# Altium PCB pcb.PcbDoc
Units mil, origin at the board's own origin, x right, y up, seen from the top; angles counter-clockwise.
Board outline 2214.75 x 2569.32 mil, 2 copper layers (Top Layer, Bottom Layer); 26 components, 25 nets, 136 pads, 665 vias.
Unrouted connection lines stored in the file: 1.
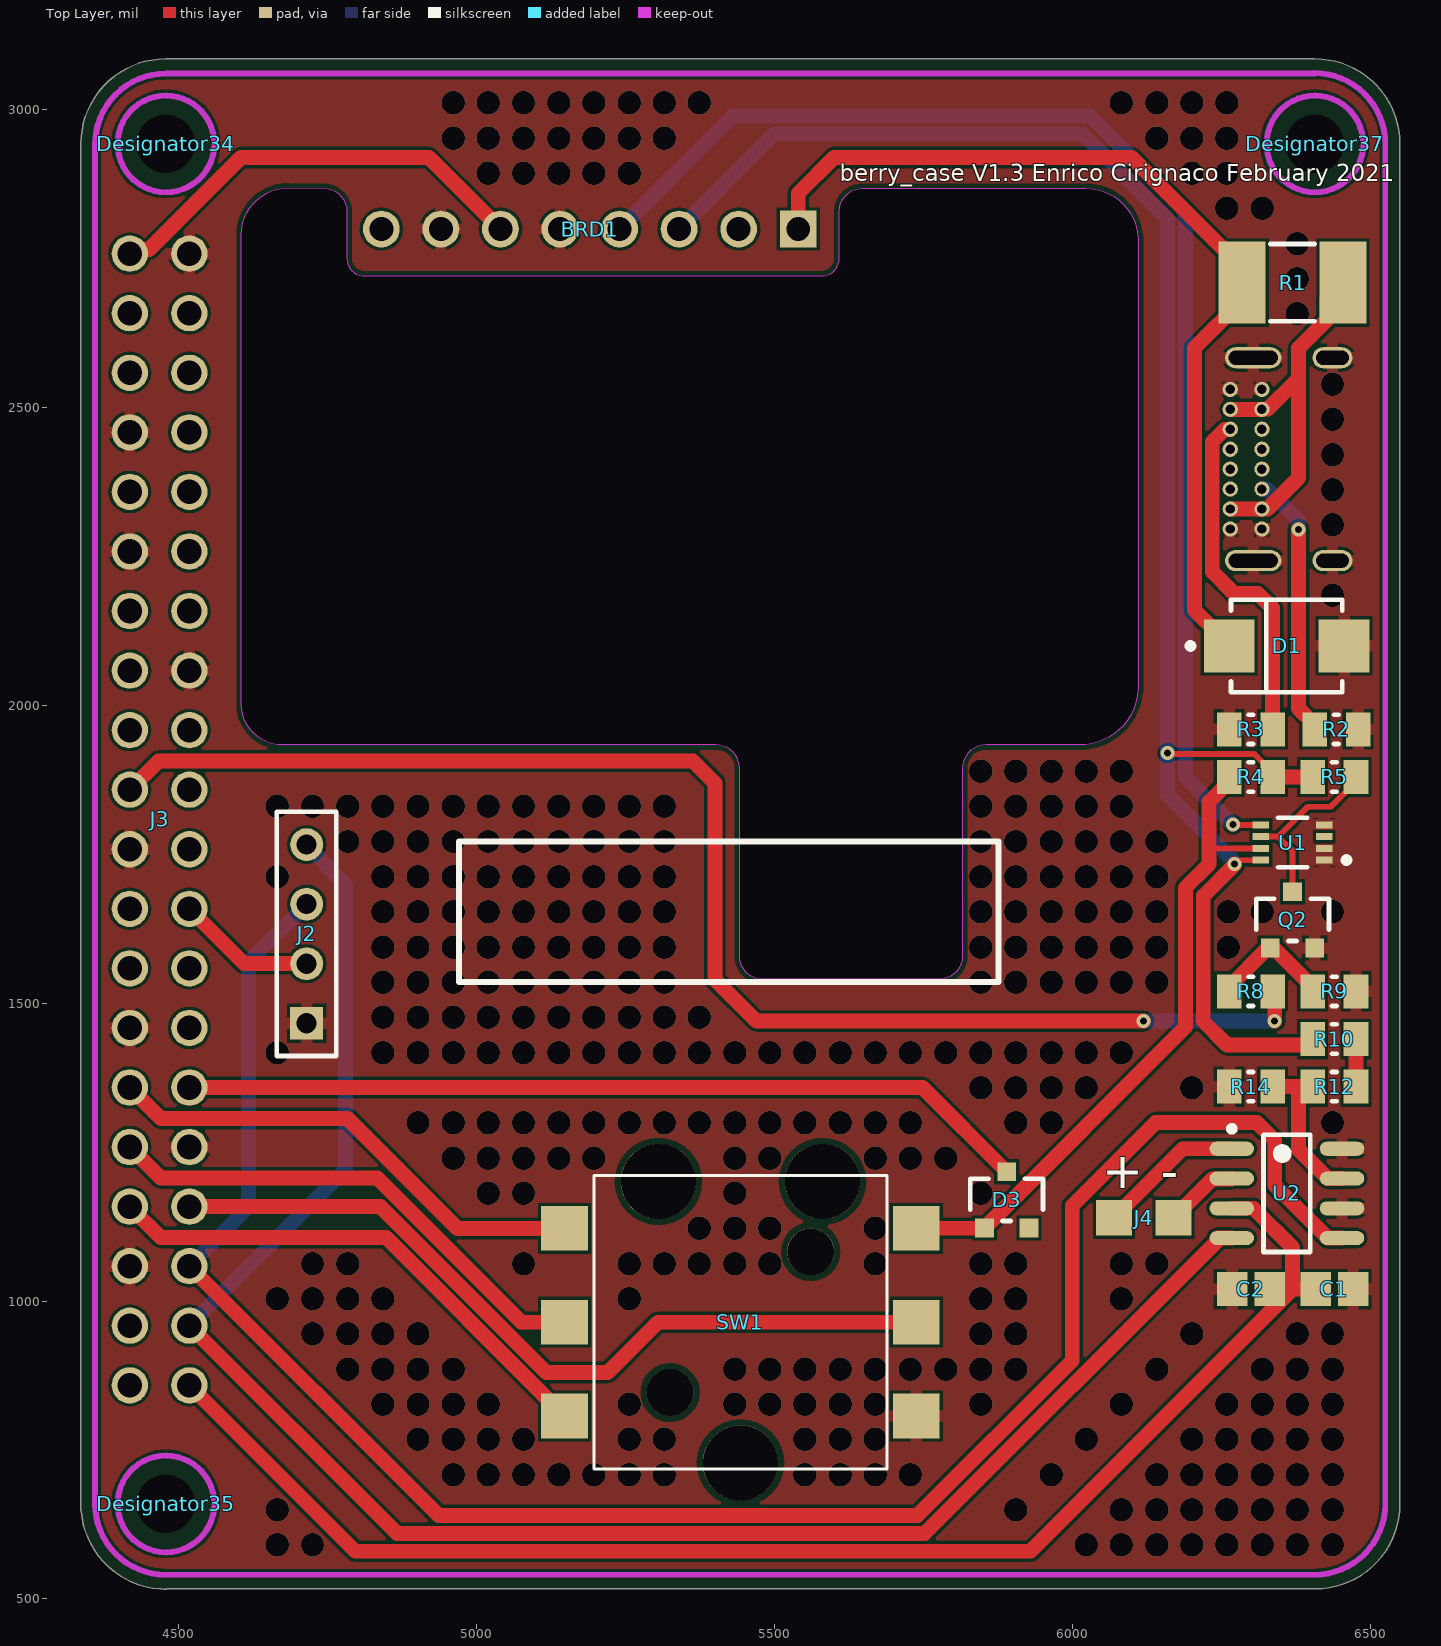
[diagram p0: Top Layer view]
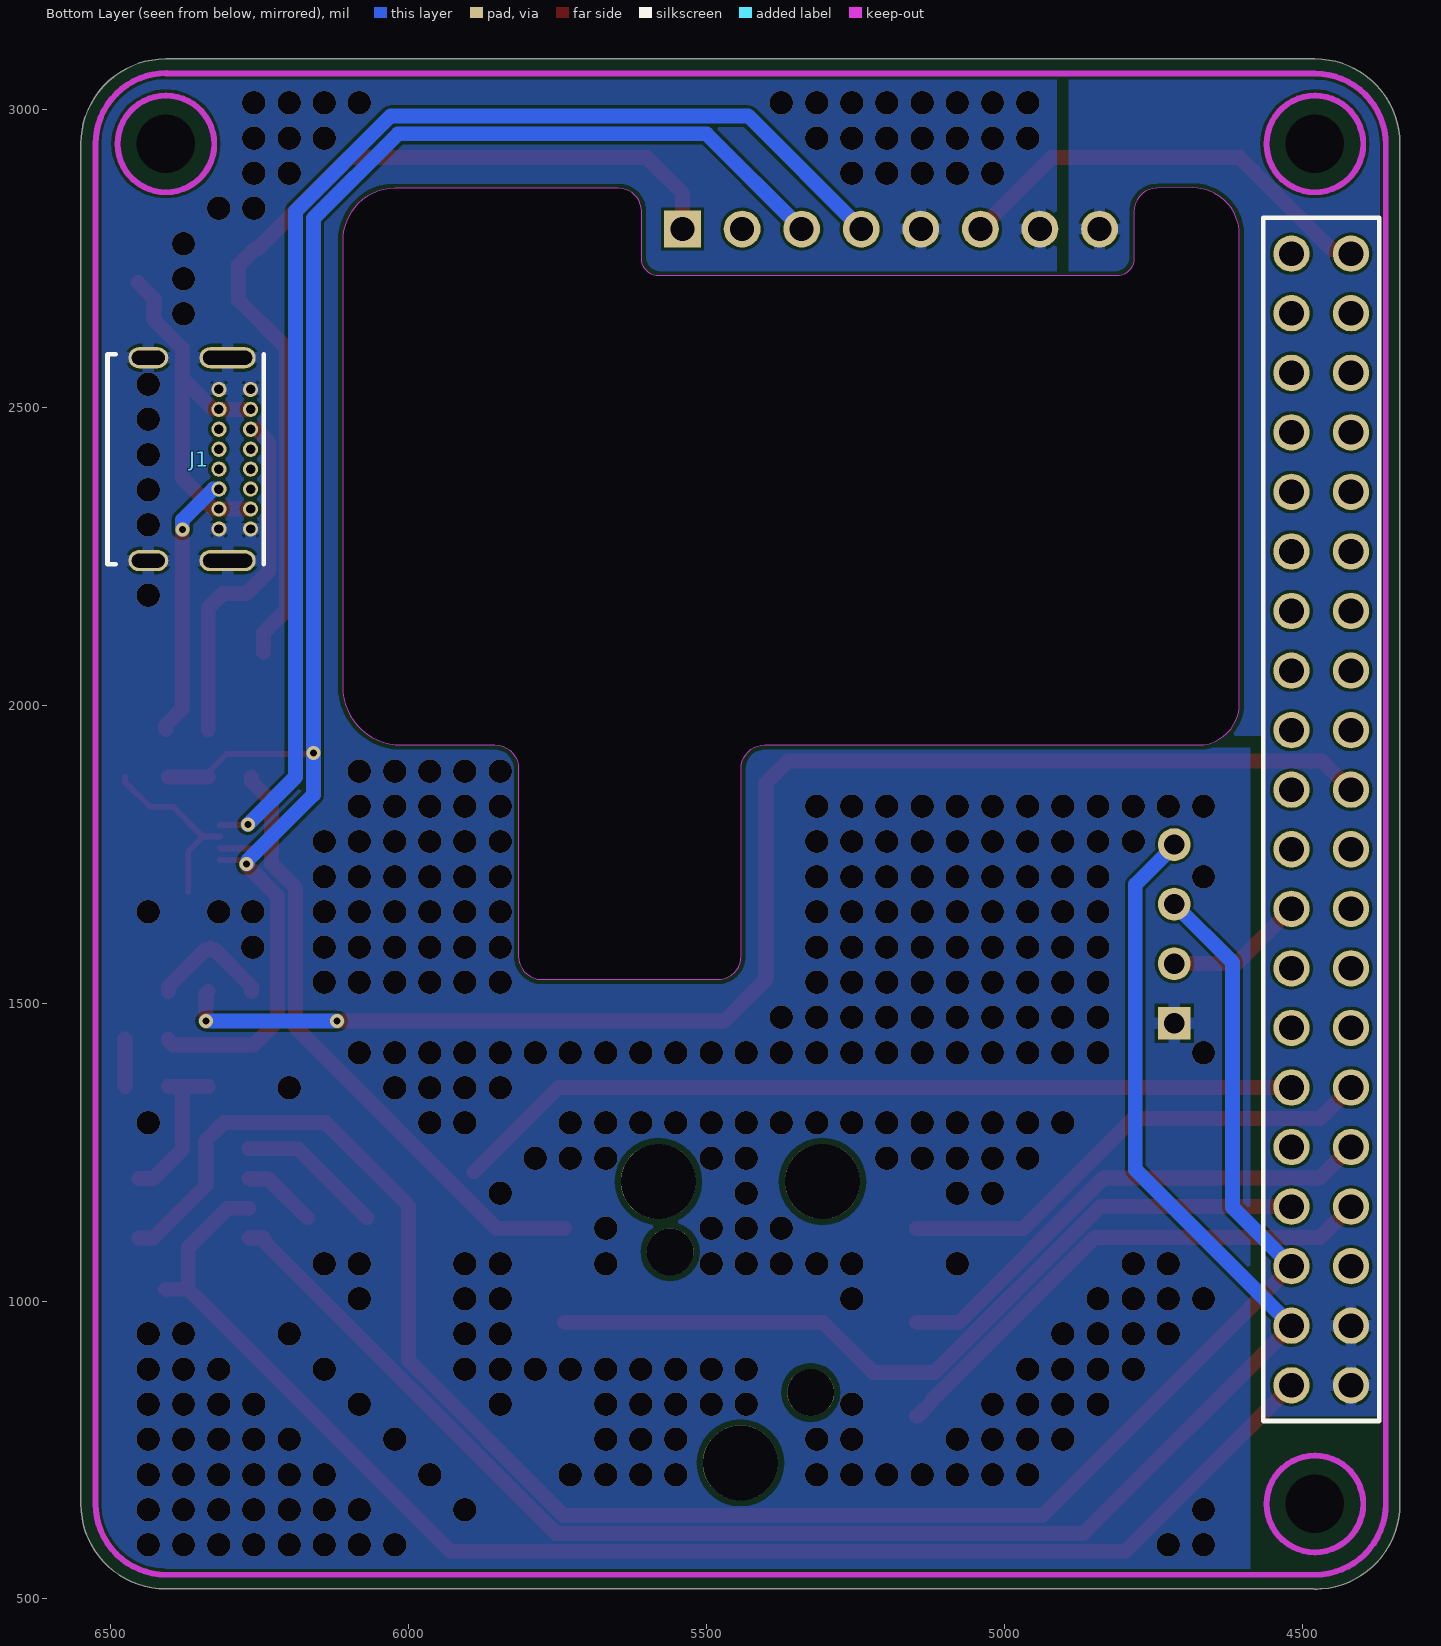
[diagram p1: Bottom Layer view, seen from below]

## Layer stack, top to bottom
Top Solder: solder mask 0.4, Solder Resist, Dk 3.5
Top Layer: signal copper 1.4
Dielectric 1: dielectric 12.6, FR-4, Dk 4.8
Bottom Layer: signal copper 1.4
Bottom Solder: solder mask 0.4, Solder Resist, Dk 3.5

## Board outline
4336.02,647.45 ccw(c4478.35,659.21) 4467.06,516.85 ccw(c4468.5,521.65) 4468.5,516.64 4470.16,516.64 ccw(c4478.35,659.21) 4478.35,516.4 ccw(c4478.35,521.42) 4479.86,516.64 6417.32,516.64 ccw(c6417.32,521.65) 6419.52,517.15 ccw(c6407.48,659.45) 6550.29,659.45 ccw(c6545.28,659.45) 6550.29,659.53 6550.29,2942.83 ccw(c6545.28,2942.91) 6550.29,2942.91 ccw(c6407.48,2942.91) 6407.48,3085.72 4478.39,3085.72 ccw(c4478.35,3080.71) 4478.35,3085.72 ccw(c4478.35,2942.91) 4335.54,2942.91 ccw(c4340.55,2942.91) 4335.54,2942.88 4335.54,649.61 ccw(c4340.55,649.61)

## Design rules (kind name [scope] priority, off if disabled: settings)
BoardOutlineClearance [All] p1: gap=7.87 ignorepadtopadclearanceinfootprint=FALSE
Clearance [All] p1: gap=5 ignorepadtopadclearanceinfootprint=FALSE except(9.84: Arc-Hole Track-Hole SMDPad-Hole THPad-Hole Via-Hole Fill-Hole Poly-Hole Region-Hole Text-Hole)
ComponentClearance [All] p1: gap=5 collisioncheckmode=3 verticalgap=5 showdistances=TRUE
DiffPairsRouting [All] p1: maxlimit=10 minlimit=5 mostfreqgap=5 toplayer_minwidth=5 toplayer_maxwidth=1000 toplayer_prefwidth=5 bottomlayer_minwidth=5 bottomlayer_maxwidth=1000 bottomlayer_prefwidth=5 maxuncoupledlength=500
Height [All] p1: minheight=0 maxheight=71497.94 prefheight=500
HoleSize [All] p1: absolutevalues=TRUE maxlimit=248.03 minlimit=11.81 maxpercent=80.000 minpercent=20.000
HoleToHoleClearance [All] p1: gap=9.84 allowstackedmicrovias=FALSE
MinimumAnnularRing [All] p1: minimumring=3
MinimumSolderMaskSliver [All] p1: minsoldermaskwidth=0
PlaneClearance [All] p1: clearance=5
PlaneConnect PlaneConnectPowerPads [InPadClass('PowerPads')] p1: planeconnectstyle=Direct reliefexpansion=20 reliefentries=4 reliefconductorwidth=10 reliefairgap=10
PlaneConnect [All] p2: pad.planeconnectstyle=Relief pad.reliefexpansion=11.81 pad.reliefentries=4 pad.reliefconductorwidth=5 pad.reliefairgap=5 via.planeconnectstyle=Direct via.reliefexpansion=11.81 via.reliefentries=4 via.reliefconductorwidth=5 via.reliefairgap=5
PolygonConnect PolygonConnectPowerPads [All vs (InPadClass('PowerPads'))] p1: connectstyle=Direct reliefconductorwidth=10 reliefentries=4 polygonreliefangle="90 Angle" airgapwidth=10
PolygonConnect [All] p2: thpad.connectstyle=Relief thpad.reliefconductorwidth=20 thpad.reliefentries=4 thpad.polygonreliefangle="90 Angle" thpad.airgapwidth=5 smdpad.connectstyle=Relief smdpad.reliefconductorwidth=20 smdpad.reliefentries=4 smdpad.polygonreliefangle="90 Angle" smdpad.airgapwidth=5 via.connectstyle=Direct via.reliefconductorwidth=5 via.reliefentries=4 via.polygonreliefangle="90 Angle" via.airgapwidth=5
RoutingVias [All] p1: holewidth=11.81 width=23.62 viastyle="Through Hole" minholewidth=11.81 minwidth=23.62 maxholewidth=23.62 maxwidth=259.84
SilkToSilkClearance [All] p1: silktosilkclearance=0
SilkToSolderMaskClearance [IsPad] p1: minsilkscreentomaskgap=5 clearancetoexposedcopper=TRUE
SolderMaskExpansion [All] p1: expansion=2.95 istentingtop=FALSE
Width [All] p1: maxlimit=25 minlimit=5 preferedwidth=10
20 further rules are at their usual default settings.

## Classes and differential pairs
component class U_main: C1 C2 D3 J2 J3 J4 R10 R12 R14 SW1 U2
component class U_power_supply: BRD1 D1 J1 Q2 R1 R2 R3 R4 R5 R8 R9 U1

## Components (designator, comment, footprint, x,y, rotation, side; value= is the part's Value field where it differs from the comment)
BRD1 "Powerboost 1000c" POWERBOOST_1000C 5540,2800 r180 top
C1 "Cap_0805" CAPC2013X88X50NL20T25 6440,1020 r180 top value=100nF
C2 "Cap_0805" CAPC2013X88X50NL20T25 6300,1020 r0 top value=10uF
D1 "SMBJ5.0A" FP-SMBJ-MFG 6360,2100 r0 top
D3 "BAT54C,215" SOT23 5890,1170 r90 top
Designator34 "Comment" MOUNTING_HOLE 4478.35,2942.91 r180 top locked
Designator35 "Comment" MOUNTING_HOLE 4478.35,659.45 r180 top locked
Designator37 "Comment" MOUNTING_HOLE 6407.48,2942.91 r180 top locked
J1 "USB4085-GF-A_revA" GCT_USB4085-GF-A_REVA 6423.82,2413.59 r270 bottom
J2 "Display" OLED_DISPLAY 5423.23,1574.8 r0 top locked
J3 "Raspberry Pi 4" RASPBERRY_PI_4 4517.72,2758.66 r180 top locked
J4 "ADC_header" ADC_HEADER 6070,1140 r0 top
Q2 "AO3400A" SOT23 6370,1640 r90 top
R1 "MF-MSMF250/16X-2" Res_1812 6370,2710 r180 top
R2 "Res_0805" RESC2013X50X30NL20T20 6443.58,1960 r180 top value=5k1
R3 "Res_0805" RESC2013X50X30NL20T20 6300,1960 r0 top value=5k1
R4 "Res_0805" RESC2013X50X30NL20T20 6300,1880 r0 top value=1M
R5 "Res_0805" RESC2013X50X30NL20T20 6440,1880 r180 top value=1M
R8 "Res_0805" RESC2013X50X30NL20T20 6300,1520 r180 top value=1k
R9 "Res_0805" RESC2013X50X30NL20T20 6440,1520 r180 top value=100k
R10 "Res_0805" RESC2013X50X30NL20T20 6440,1440 r180 top value=10k
R12 "Res_0805" RESC2013X50X30NL20T20 6440,1360 r0 top value=10k
R14 "Res_0805" RESC2013X50X30NL20T20 6300,1360 r0 top value=10k
SW1 "JS5208" JS5208_PKG 5442.91,964.57 r180 top locked
U1 "NC7SZ74K8X" FP-846AN-MFG 6370,1770 r180 top
U2 "MCP3426A0-E/SN" SOIC-SN8_L 6360.49,1180.83 r0 top

## Footprints (in the part's own frame and the unit in brackets; to place one, negate y for a bottom-side part, rotate by r counter-clockwise, add the part's x,y. Pads: shape width x height; smd on the part's side, far side on the other; paste and mask are expansions set on the pad)
ADC_HEADER [mil]
  rect 60x60 smd: 1(0,0) 2(100,0)
CAPC2013X88X50NL20T25 [mm] "Chip Capacitor, 2-Leads, Body 2.00x1.25mm, IPC Medium Density"
  rect 1.3x1.45 smd: 1(-0.8,0) 2(0.8,0)
  body extent -1.1,-0.72 1.1,0.72, height 0.88
FP-846AN-MFG [mm]
  rect 0.7x0.3 smd paste+0 mask+0: 1(-1.35,0.75) 2(-1.35,0.25) 3(-1.35,-0.25) 4(-1.35,-0.75) 5(1.35,-0.75) 6(1.35,-0.25) 7(1.35,0.25) 8(1.35,0.75)
  silkscreen extent -2.43,-1.05 0.63,1.05, body extent -1.8,-1.15 1.8,1.15, height 0.25
FP-SMBJ-MFG [mm]
  rect 2.16x2.26 smd paste+0 mask+0: 1(-2.45,0) 2(2.45,0)
  silkscreen extent -4.22,-1.97 2.37,1.97, body extent -3.63,-2.07 3.63,2.07, height 0.25
GCT_USB4085-GF-A_REVA [mm] "USB 2.0 Type C Receptacle Dip Type, PCB Top Mount"
  round 0.65 hole 0.4: A1(-2.975,4.025) A4(-2.125,4.025) A5(-1.275,4.025) A6(-0.425,4.025) A7(0.425,4.025) A8(1.275,4.025) A9(2.125,4.025) A12(2.975,4.025) B1(2.975,2.675) B4(2.125,2.675) B5(1.275,2.675) B6(0.425,2.675) B7(-0.425,2.675) B8(-1.275,2.675) B9(-2.125,2.675) B12(-2.975,2.675)
  oval 0.9x1.7 hole 0.6 slot 1.4 at 90 deg: P1(-4.325,-0.335) P1(4.325,-0.335)
  oval 0.9x2.4 hole 0.6 slot 2.1 at 90 deg: P1(-4.325,3.045) P1(4.325,3.045)
  silkscreen extent -4.47,-2.07 4.47,4.58, body extent -4.51,-4.56 4.52,4.61, height 3.46
JS5208_PKG [mm]
  rect 2x1.9 smd: A-U(7.5,4) B-L(-7.5,0) C-D(7.5,-4) COM(-7.5,4) D-R(7.5,0) E-BTN(-7.5,-4)
  round 3.2 hole 3.2 unplated: ""(-3.5,-6) ""(0,6) ""(3.5,-6)
  round 2 hole 2 unplated: ""(-3,-3) ""(3,3)
  silkscreen extent -6.25,-6.25 6.25,6.25, body extent -8.2,-6.35 8.2,6.35, height 12.2
MOUNTING_HOLE [mm]
  round 0 hole 2.5: 15(0,0)
  Top Layer keep-out circle w0.254: c0,0 r2.062
  Bottom Layer keep-out circle w0.254: c0,0 r2.062
  body extent -1.9,-1.9 1.9,1.9, height 2
OLED_DISPLAY [mm]
  rect 1.4x1.4 hole 0.86: 1(-18,-2.75)
  round 1.4 hole 0.86: 2(-18,-0.21) 3(-18,2.33) 4(-18,4.87)
  silkscreen extent -19.27,-4.15 11.5,6.27, body extent -19.45,-4.97 20.55,7.03, height 7.16
POWERBOOST_1000C [mm]
  rect 1.57x1.57 hole 1.02 paste-1000 mask+0: 1(0,0)
  round 1.57 hole 1.02 paste-1000 mask+0: 2(2.54,0) 3(5.08,0) 4(7.62,0) 5(10.16,0) 6(12.7,0) 7(15.24,0) 8(17.78,0)
  Keep-Out Layer board cut-out: -14.5,0.5 -14.5,19.5 -14.31,20.457 -13.768,21.268 -12.957,21.81 -12,22 -12,22 -8,22 -7.5,22.134 -7.134,22.5 -7,23 -7,23 -7,31 -6.866,31.5 -6.5,31.866 -6,32 -6,32 1.5,32 1.883,31.924 2.207,31.707 2.424,31.383 2.5,31 2.5,31 2.5,23 2.576,22.617 2.793,22.293 3.117,22.076 3.5,22 3.5,22 22,22 22.67,21.867 23.238,21.487 23.617,20.92 23.75,20.25 23.75,20.25 23.75,0.242 23.596,-0.526 23.159,-1.175 22.504,-1.606 21.735,-1.752 21.735,-1.752 20.229,-1.737 19.739,-1.601 19.381,-1.239 19.25,-0.747 19.25,-0.747 19.25,1.25 19.193,1.537 19.03,1.78 18.787,1.943 18.5,2 18.5,2 -1,2 -1.287,1.943 -1.53,1.78 -1.693,1.537 -1.75,1.25 -1.75,1.25 -1.75,-0.75 -1.825,-1.126 -2.038,-1.445 -2.357,-1.659 -2.733,-1.733 -2.733,-1.733 -12.267,-1.733 -13.383,-1.434 -14.201,-0.617 -14.5,0.5
  body extent -13.42,-1.27 23.2,21.61, height 8.71
RASPBERRY_PI_4 [mm] "Board-to-Board Connector, PC104 CD ISA, Stackthrough, Vertical, 2-Row, 40-Postion, Pitch 2.54mm, Receptacle"
  round 1.55 hole 1.05: 1(0,48.26) 2(2.54,48.26) 3(0,45.72) 4(2.54,45.72) 5(0,43.18) 6(2.54,43.18) 7(0,40.64) 8(2.54,40.64) 9(0,38.1) 10(2.54,38.1) 11(0,35.56) 12(2.54,35.56) 13(0,33.02) 14(2.54,33.02) 15(0,30.48) 16(2.54,30.48) 17(0,27.94) 18(2.54,27.94) 19(0,25.4) 20(2.54,25.4) 21(0,22.86) 22(2.54,22.86) 23(0,20.32) 24(2.54,20.32) 25(0,17.78) 26(2.54,17.78) 27(0,15.24) 28(2.54,15.24) 29(0,12.7) 30(2.54,12.7) 31(0,10.16) 32(2.54,10.16) 33(0,7.62) 34(2.54,7.62) 35(0,5.08) 36(2.54,5.08) 37(0,2.54) 38(2.54,2.54) 39(0,0) 40(2.54,0)
  body extent -53.64,-32.27 4.76,56.72, height 8.4
Res_1812 [mm] "Chip Capacitor, Body 4.5x3.2mm, Height 1.25mm, IPC Low Density"
  rect 2x3.5 smd: 1(-2.15,0) 2(2.15,0)
  silkscreen extent -0.95,-1.65 0.95,1.65, body extent -2.4,-1.7 2.4,1.7, height 1.25
RESC2013X50X30NL20T20 [mm] "Chip Resistor, 2-Leads, Body 2.00x1.25mm, IPC Medium Density"
  rect 1.05x1.45 smd: 1(-0.925,0) 2(0.925,0)
  silkscreen extent -0.1,-0.63 0.1,0.63, body extent -1.1,-0.72 1.1,0.72, height 0.5
SOIC-SN8_L [mm] "SOIC, 8-Leads, Body 4.9x3.9mm, Pitch 1.27mm, IPC High Density"
  oval 1.9x0.6 smd: 1(-2.35,1.905) 2(-2.35,0.635) 3(-2.35,-0.635) 4(-2.35,-1.905) 5(2.35,-1.905) 6(2.35,-0.635) 7(2.35,0.635) 8(2.35,1.905)
  silkscreen extent -2.47,-2.5 1,2.88, body extent -2,-2.5 2,2.5, height 1.75
SOT23 [mm]
  rect 0.8x0.8 smd paste+0 mask+0: 1(-1.2,0.95) 2(-1.2,-0.95) 3(1.2,0)
  silkscreen extent -0.9,-1.55 0.9,1.55, body extent -1.7,-1.78 1.7,1.78, height 0.25

## Part data
BRD1: library part Powerboost_1000c, "BOARD PWRBOOST1000 5V LIPO USB", Manufacturer="Adafruit Industries", Manufacturer Part Number=2465, Output Current=1A, Output Voltage=5.2V, Package Quantity=1, Supplier Part Number 1=1528-1349-ND, Switching Frequency=700kHz, Category="Embedded Processors and Controllers", ComponentLink1Description=https://media.digikey.com/pdf/Data%20Sheets/Adafruit%20PDFs/2465_Web.pdf?src-supplier=Digi-Key, ComponentLink1URL=https://media.digikey.com/pdf/Data%20Sheets/Adafruit%20PDFs/2465_Web.pdf?src-supplier=Digi-Key, Evaluation Kit=Yes, Pricing 1="1=19.95000 (USD)", RoHS=No, Stock 1=834, Supplier 1=Digi-Key
C1 C2: "Ceramic Capacitor X7R", Voltage Rating=50V
D1: library part CMP-08607-000042-1, "TVS DIODE 5V 9.2V DO214AA", Breakdown Voltage=6.4V, Clamping Voltage=9.2V, Manufacturer="Littelfuse Inc", Max Junction Temp=+150°C, Package=SMBJ, Peak Pulse Current=65.3A, Peak Pulse Power=600W, Reverse Standoff Voltage=5V, Temperature="-65°C to +150°C", Temperature Range Low=-65°C, Automotive=No, Category=Diode, ComponentLink2Description=Datasheet, ComponentLink2URL=https://www.littelfuse.com/~/media/electronics/datasheets/tvs_diodes/littelfuse_tvs_diode_smbj_datasheet.pdf.pdf, Device Class L1="Circuit Protection", Device Class L2="TVS Diodes", Device Class L3=unset, Digikey Description="TVS DIODE 5V 9.2V DO214AA", Direction=Unidirectional, Height=2.61mm, Lead Free=Yes, Manufacturer Part Number=SMBJ5.0A, Mouser Description="TVSS; Diode; For Data/Comm; Industrial Equip; 65.3A; SMD; Solder Term; Clamp-V 9.2V", Number Of Channels=1, Octopart=https://octopart.com/smbj5.0a-littelfuse-8835, RoHS=TRUE, Temperature Range High=+150°C
D3: library part DIODE_BAT54C, "Schottky Barrier Diode, 30 V, 3-Pin SOT23, RoHS, Tape and Reel", Current Ifsm=600mA, Diode Case Style=SOT-23, Forward Current If(AV)=200mA, Forward Voltage=800mV, Junction Temperature Tj Max=125degC, Manufacturer="NXP Semiconductors", Operating Temperature Max=150degC, Operating Temperature Min=-65degC, Operating Temperature Range=-65degCto+150degC, Package Description="3-Pin Small Outline Transistor, Body 1.3 x 2.9 mm, Pitch 0.95 mm", Package Reference=SOT23-3, Package Version=Feb-16, Repetitive Reverse Voltage Vrrm Max=30V, Common Connection=Cathode, Datasheet URL=https://datasheet.ciiva.com/33723/1668625-33723936.pdf, Datasheet Version="Rev. 5 , 10/2012", Diode Type=Schottky, Forward Surge Current Ifsm Max=600mA, Forward Voltage VF Max=800mV, Manufacturer URL=http://www.nxp.com/, No. of Pins=3, Package / Case=SOT-23, Package URL=http://www.nxp.com/documents/outline_drawing/SOT23.pdf, Pin Configuration=1A1,2A2,3comK, Reel Quantity=3000, Reverse Recovery Time trr Max=5ns, Reverse Recovery Time trr Typ=5ns, SMD Marking=L43/*W1, SVHC=NoSVHC(19-Dec-2012), Tape Width=8mm, Termination Type=SMD
J1: library part "USB-C port", "USB 2.0 Type C Receptacle Dip Type, PCB Top Mount", Manufacturer="Global Connector Technology", PARTREV=A, STANDARD="Manufacturer Recommendations"
J2: library part "Oled Display", "Tiger Claw(TM) Socket Strip, Through-hole, Vertical, -55 to 105 degC, 2 mm Pitch, 4-Pin, Female, RoHS", Manufacturer=Samtec, PartNumber=MMS-104-01-T-SV, Temperature Range="-55 to 105 degC", ComponentLink1Description="Manufacturer URL", ComponentLink1URL=http://www.samtec.com, ComponentLink2Description=Datasheet, ComponentLink2URL=http://www.samtec.com/documents/webfiles/pdf/MMS.PDF, ComponentLink3Description="Package Specification", ComponentLink3URL=http://www.samtec.com/documents/webfiles/cpdf/MMS-1XX-01-XXX-XX-XXX-MKT1.pdf, DatasheetVersion=F-214, Mounting Technology=Through-hole, Orientation=Vertical, PackageDescription="2mm Through Hole Box Connector Strip Assembly", PackageReference=MMS-104-01-X-SV, PackageVersion="AO, 2/1993", Pitch="2 mm", RoHS=True
J3: library part RASPBERRY_PI4, "Raspberry Pi 4 with Headers_", Package=None, Availability=Unavailable, MF="Raspberry Pi", MP=ADA3708, Price=None, SnapEDA_Link=https://www.snapeda.com/parts/ADA3708/Raspberry%20Pi/view-part/2770118/?ref=snap
Q2: library part MOSFET_AO3400A, "MOSFET N-CH 30V 5.7A SOT23", Case/Package=SOT-23, Continuous Drain Current (ID)=5.7A, Drain to Source Voltage (Vdss)=30V, Gate to Source Voltage (Vgs)=12V, Input Capacitance=630pF, Max Operating Temperature=150°C, Max Power Dissipation=1.4W, Min Operating Temperature=-55°C, Lead Free="Lead Free", Mount="Surface Mount", Number of Elements=1, Number of Pins=3, Packaging="Tape and Reel", Power Dissipation=1.4W, Radiation Hardening=No, Rds On Max=26.5mR
R1: library part "PTC Fuse", "PTC Resettable Fuse 2.5A(hold) 5A(trip) 16V 100A 1.2W 5s 0.015Ohm SMD Solder Pad 1812 T/R", Case Code (Imperial)=1812, Case Code (Metric)=4532, Current Rating=100A, Hold Current=2.5A, Manufacturer=Bourns, Max Operating Temperature=85°C, Min Operating Temperature=-40°C, Package Quantity=1500, Power Dissipation=1.2W, Resistance=100mR, Supplier Part Number 1=MF-MSMF250/16X-2CT-ND, Trip Current=5A, Voltage Rating=16V, Approvals=UL,CSA,TUV, Case/Package=1812, Category=Fuses, ComponentLink1Description=https://datasheet.ciiva.com/3020/mfmsmf-3020420.pdf?src-supplier=Avnet, ComponentLink1URL=https://datasheet.ciiva.com/3020/mfmsmf-3020420.pdf?src-supplier=Avnet, ComponentLink2Description=https://datasheet.ciiva.com/16206/mfmsmf-16206071.pdf?src-supplier=Onlinecomponents.com, ComponentLink2URL=https://datasheet.ciiva.com/16206/mfmsmf-16206071.pdf?src-supplier=Onlinecomponents.com, ComponentLink3Description=https://datasheet.ciiva.com/7434/mfmsmf-7434296.pdf?src-supplier=Digi-Key, ComponentLink3URL=https://datasheet.ciiva.com/7434/mfmsmf-7434296.pdf?src-supplier=Digi-Key, ComponentLink4Description=https://datasheet.ciiva.com/32430/mf-msmf-series-eng-tds-32430600.pdf?src-supplier=Distrelec, ComponentLink4URL=https://datasheet.ciiva.com/32430/mf-msmf-series-eng-tds-32430600.pdf?src-supplier=Distrelec, ComponentLink5Description=https://datasheet.ciiva.com/7434/mfmsmf-7434298.pdf?src-supplier=Digi-Key, ComponentLink5URL=https://datasheet.ciiva.com/7434/mfmsmf-7434298.pdf?src-supplier=Digi-Key, ComponentLink6Description=https://datasheet.ciiva.com/16692/mfmsmf-16692202.pdf?src-supplier=Avnet+Europe, ComponentLink6URL=https://datasheet.ciiva.com/16692/mfmsmf-16692202.pdf?src-supplier=Avnet+Europe, ComponentLink7Description=https://datasheet.ciiva.com/30088/575mfmsmf-30088346.pdf?src-supplier=Onlinecomponents.com, ComponentLink7URL=https://datasheet.ciiva.com/30088/575mfmsmf-30088346.pdf?src-supplier=Onlinecomponents.com, ComponentLink8Description=https://datasheet.ciiva.com/7434/mfmsmf-7434299.pdf?src-supplier=Digi-Key, ComponentLink8URL=https://datasheet.ciiva.com/7434/mfmsmf-7434299.pdf?src-supplier=Digi-Key, ComponentLink9Description=https://datasheet.ciiva.com/14538/70153434-14538955.pdf?src-supplier=Allied+Electronics, ComponentLink9URL=https://datasheet.ciiva.com/14538/70153434-14538955.pdf?src-supplier=Allied+Electronics, ComponentLink10Description=https://datasheet.ciiva.com/8005/1786007-8005325.pdf?src-supplier=Element14, ComponentLink10URL=https://datasheet.ciiva.com/8005/1786007-8005325.pdf?src-supplier=Element14, ComponentLink11Description=https://datasheet.ciiva.com/48700/001055646-da-01-en-sich-ptc-reset-mf-msmf250-16x-2-2-5a16v-48700197.pdf?src-supplier=Conrad, ComponentLink11URL=https://datasheet.ciiva.com/48700/001055646-da-01-en-sich-ptc-reset-mf-msmf250-16x-2-2-5a16v-48700197.pdf?src-supplier=Conrad, Contact Plating=Gold, Height=1.6mm, Length=4.73mm, Manufacturer Part Number=MF-MSMF250/16X-2, Max Current Rating=100A, Mount="Surface Mount,PCB", Number of Terminals/Pins=2, Packaging="Tape and Reel", Pricing 1="1=0.54000, 5=0.52000, 10=0.50400, 50=0.42400, 100=0.35200, 250=0.32000, 500=0.27200 (USD)", Radiation Hardening=No, REACH SVHC="No SVHC", RoHS=Yes, Stock 1=33109, Supplier 1=Digi-Key, Termination=SMD/SMT, Time to Trip=5s, Voltage Rating (DC)=16V, Width=3.41mm
R2 R3 R4 R5 R8 R9 R10 R12 R14: "Resistor", Power Rating=125mW, Tolerance=1%
SW1: library part NAV_BUTTON, "E-SWITCH - JS5208 - SWITCH, NAVIGATION, 5 POSITION, 20mA, SMD", Current Rating=20mA, Manufacturer=E-Switch, Max Operating Temperature=70°C, Min Operating Temperature=-20°C, Operating Force=500gf, Package Quantity=300, Supplier Part Number 1=EG4561-ND, Voltage Rating (DC)=15V, Category=Switches, ComponentLink1Description=https://datasheet.ciiva.com/1530/js5208-1530917.pdf?src-supplier=Element14, ComponentLink1URL=https://datasheet.ciiva.com/1530/js5208-1530917.pdf?src-supplier=Element14, ComponentLink2Description=https://datasheet.ciiva.com/12447/js5208-19824-12447191.pdf?src-supplier=Mouser, ComponentLink2URL=https://datasheet.ciiva.com/12447/js5208-19824-12447191.pdf?src-supplier=Mouser, ComponentLink3Description=https://datasheet.ciiva.com/2869/p200020c-2869289.pdf?src-supplier=Digi-Key, ComponentLink3URL=https://datasheet.ciiva.com/2869/p200020c-2869289.pdf?src-supplier=Digi-Key, ComponentLink4Description=https://datasheet.ciiva.com/16360/js5208-16360789.pdf?src-supplier=Future+Electronics, ComponentLink4URL=https://datasheet.ciiva.com/16360/js5208-16360789.pdf?src-supplier=Future+Electronics, Contact Material=Silver, Electrical Life=100000Cycles, Lead Free="Lead Free", Manufacturer Part Number=JS5208, Mechanical Life=100000Cycles, Mount="Surface Mount", Number of Pins=5, Pricing 1="1=2.49000, 5=2.43200, 10=2.04400, 25=1.93360, 50=1.82320, 100=1.65750 (USD)", REACH SVHC="No SVHC", RoHS=Yes, Stock 1=2460, Supplier 1=Digi-Key, Termination="Gull Wing"
U1: library part CMP-07113-000002-1, "IC FF D-TYPE SNGL 1BIT US8", Ambient Temperature Range High=+85°C, Ambient Temperature Range Low=-40°C, Frequency=250MHz, Manufacturer="ON Semiconductor", Max Junction Temp=+150°C, Max Supply Voltage=5.5V, Min Supply Voltage=1.65V, Package=846AN, Quiescent Current=1uA, Temperature="to +150°C", Automotive=No, Category=IC, ComponentLink2Description=Datasheet, ComponentLink2URL=https://www.onsemi.com/pub/Collateral/NC7SZ74-D.PDF, Device Class L1="Integrated Circuits (ICs)", Device Class L2="Logic ICs", Device Class L3="Latches and Flip Flops", Digikey Description="IC FF D-TYPE SNGL 1BIT US8", Footprint Url=https://www.onsemi.com/pub/Collateral/846AN.PDF, Height=0.9mm, Ipc Land Pattern Name=SOP50P200X90-8, Lead Free=Yes, Logic Function Desc=Non-inverting, Manufacturer Part Number=NC7SZ74K8X, Mouser Description="Flip Flops TinyLogic UHS D-Type", Number Of Circuits=1, Number Of Inputs=1, Number Of Outputs=2, Octopart=https://octopart.com/nc7sz74k8x-on+semiconductor-84330810, Propagation Delay=2.6ns, RoHS=TRUE, Standoff Height=0mm, Temperature Range High=+150°C
U2: library part CMP-0188-01151-1, "16-Bit, Multi-Channel Delta-Sigma Analog-to-Digital Converter with I2C Interface and On-Board Reference, 8-Pin SOIC 150mil, Extended Temperature", Code_IPC=SOIC127P600-8, Code_JEDEC=MS-012, ComponentLink1Description="Manufacturer URL", ComponentLink1URL=http://www.microchip.com/, ComponentLink2Description=Datasheet, ComponentLink2URL=http://ww1.microchip.com/downloads/en/DeviceDoc/22226a.pdf, ComponentLink3Description="Package Specification", ComponentLink3URL=http://www.microchip.com/stellent/groups/techpub_sg/documents/packagingspec/en012702.pdf, DatasheetVersion="revA, Dec-2009", PackageDescription="8-Lead Plastic Small Outline (SN) - Narrow, 3.90mm Body [SOIC]", PackageReference=SOIC-SN8, PackageVersion="revBB, Aug-2009"

## Via types
v1: diameter 39.37, hole 39.37, Top Layer to Bottom Layer, 659 vias
v2: diameter 23.62, hole 11.81, Top Layer to Bottom Layer, 6 vias

## Nets (pads, with @x,y where several pads share a name; then routed paths per layer and width w, separated by ;. In a path a pad name is that pad's centre, name@x,y a point inside that pad or via, vN(x,y) a via of type N, cw(c..) or ccw(c..) an arc to the next point about the centre after c; other vN are vias at no path point)
+3V3: C1.2 C2.2 J2.2 J3.1 J3.17 U2.3 | length 2622.8
  Top Layer w25: J3.1 4796.38,580 5930,580 6349.27,999.27 6370,1020 ; J3.17 4609.84,1566.54 J2.2 ; U2.3 6304.17,1155.83 6370,1090 6370,1020 ; C1.2 6370,1020
+5V: BRD1.8 J3.2 J3.4
GND: BRD1.5 BRD1.7 C1.1 C2.1 D1.2 J1.A1 J1.A12 J1.B1 J1.B12 J1.P1 J2.1 J3.6 J3.9 J3.14 J3.20 J3.25 J3.30 J3.34 J3.39 Q2.2 R2.1 R3.1 R9.1 R14.1 SW1.COM U1.1 U1.2 U1.4 U2.6 U2.8
  other v1: 4665.35,590.55 4665.35,590.55 4724.41,590.55 4724.41,590.55 6023.62,590.55 6023.62,590.55 6082.68,590.55 6082.68,590.55 6141.73,590.55 6141.73,590.55 6200.79,590.55 6200.79,590.55 6259.84,590.55 6259.84,590.55 6318.9,590.55 6318.9,590.55 6377.95,590.55 6377.95,590.55 6437.01,590.55 6437.01,590.55 4665.35,649.61 4665.35,649.61 5905.51,649.61 5905.51,649.61 6082.68,649.61 6082.68,649.61 6141.73,649.61 6141.73,649.61 6200.79,649.61 6200.79,649.61 6259.84,649.61 6259.84,649.61 6318.9,649.61 6318.9,649.61 6377.95,649.61 6377.95,649.61 6437.01,649.61 6437.01,649.61 4960.63,708.66 4960.63,708.66 5019.68,708.66 5019.68,708.66 5078.74,708.66 5078.74,708.66 5137.79,708.66 5137.79,708.66 5196.85,708.66 5196.85,708.66 5255.9,708.66 5255.9,708.66 5314.96,708.66 5314.96,708.66 5551.18,708.66 5551.18,708.66 5610.23,708.66 5610.23,708.66 5669.29,708.66 5669.29,708.66 5728.34,708.66 5728.34,708.66 5964.57,708.66 5964.57,708.66 6141.73,708.66 6141.73,708.66 6200.79,708.66 6200.79,708.66 6259.84,708.66 6259.84,708.66 6318.9,708.66 6318.9,708.66 6377.95,708.66 6377.95,708.66 6437.01,708.66 6437.01,708.66 4901.57,767.72 4901.57,767.72 4960.63,767.72 4960.63,767.72 5019.68,767.72 5019.68,767.72 5078.74,767.72 5078.74,767.72 5255.9,767.72 5255.9,767.72 5314.96,767.72 5314.96,767.72 5551.18,767.72 5551.18,767.72 5610.23,767.72 5610.23,767.72 5669.29,767.72 5669.29,767.72 6023.62,767.72 6023.62,767.72 6200.79,767.72 6200.79,767.72 6259.84,767.72 6259.84,767.72 6318.9,767.72 6318.9,767.72 6377.95,767.72 6377.95,767.72 6437.01,767.72 6437.01,767.72 4842.52,826.77 4842.52,826.77 4901.57,826.77 4901.57,826.77 4960.63,826.77 4960.63,826.77 5019.68,826.77 5019.68,826.77 5255.9,826.77 5255.9,826.77 5433.07,826.77 5433.07,826.77 5492.12,826.77 5492.12,826.77 5551.18,826.77 5551.18,826.77 5610.23,826.77 5610.23,826.77 5669.29,826.77 5669.29,826.77 5846.45,826.77 5846.45,826.77 6082.68,826.77 6082.68,826.77 6259.84,826.77 6259.84,826.77 6318.9,826.77 6318.9,826.77 6377.95,826.77 6377.95,826.77 6437.01,826.77 6437.01,826.77 4783.46,885.83 4783.46,885.83 4842.52,885.83 4842.52,885.83 4901.57,885.83 4901.57,885.83 4960.63,885.83 4960.63,885.83 5433.07,885.83 5433.07,885.83 5492.12,885.83 5492.12,885.83 5551.18,885.83 5551.18,885.83 5610.23,885.83 5610.23,885.83 5669.29,885.83 5669.29,885.83 5728.34,885.83 5728.34,885.83 5787.4,885.83 5787.4,885.83 5846.45,885.83 5846.45,885.83 5905.51,885.83 5905.51,885.83 6141.73,885.83 6141.73,885.83 6318.9,885.83 6318.9,885.83 6377.95,885.83 6377.95,885.83 6437.01,885.83 6437.01,885.83 4724.41,944.88 4724.41,944.88 4783.46,944.88 4783.46,944.88 4842.52,944.88 4842.52,944.88 4901.57,944.88 4901.57,944.88 5846.45,944.88 5846.45,944.88 5905.51,944.88 5905.51,944.88 6200.79,944.88 6200.79,944.88 6377.95,944.88 6377.95,944.88 6437.01,944.88 6437.01,944.88 4665.35,1003.94 4665.35,1003.94 4724.41,1003.94 4724.41,1003.94 4783.46,1003.94 4783.46,1003.94 4842.52,1003.94 4842.52,1003.94 5255.9,1003.94 5255.9,1003.94 5846.45,1003.94 5846.45,1003.94 5905.51,1003.94 5905.51,1003.94 6082.68,1003.94 6082.68,1003.94 4724.41,1062.99 4724.41,1062.99 4783.46,1062.99 4783.46,1062.99 5078.74,1062.99 5078.74,1062.99 5255.9,1062.99 5255.9,1062.99 5314.96,1062.99 5314.96,1062.99 5374.01,1062.99 5374.01,1062.99 5433.07,1062.99 5433.07,1062.99 5492.12,1062.99 5492.12,1062.99 5669.29,1062.99 5669.29,1062.99 5846.45,1062.99 5846.45,1062.99 5905.51,1062.99 5905.51,1062.99 6082.68,1062.99 6082.68,1062.99 6141.73,1062.99 6141.73,1062.99 5374.01,1122.05 5374.01,1122.05 5433.07,1122.05 5433.07,1122.05 5492.12,1122.05 5492.12,1122.05 5669.29,1122.05 5669.29,1122.05 5019.68,1181.1 5019.68,1181.1 5078.74,1181.1 5078.74,1181.1 5433.07,1181.1 5433.07,1181.1 5846.45,1181.1 5846.45,1181.1 4960.63,1240.16 4960.63,1240.16 5019.68,1240.16 5019.68,1240.16 5078.74,1240.16 5078.74,1240.16 5137.79,1240.16 5137.79,1240.16 5196.85,1240.16 5196.85,1240.16 5433.07,1240.16 5433.07,1240.16 5492.12,1240.16 5492.12,1240.16 5669.29,1240.16 5669.29,1240.16 5728.34,1240.16 5728.34,1240.16 5787.4,1240.16 5787.4,1240.16 4901.57,1299.21 4901.57,1299.21 4960.63,1299.21 4960.63,1299.21 5019.68,1299.21 5019.68,1299.21 5078.74,1299.21 5078.74,1299.21 5137.79,1299.21 5137.79,1299.21 5196.85,1299.21 5196.85,1299.21 5255.9,1299.21 5255.9,1299.21 5314.96,1299.21 5314.96,1299.21 5374.01,1299.21 5374.01,1299.21 5433.07,1299.21 5433.07,1299.21 5492.12,1299.21 5492.12,1299.21 5551.18,1299.21 5551.18,1299.21 5610.23,1299.21 5610.23,1299.21 5669.29,1299.21 5669.29,1299.21 5728.34,1299.21 5728.34,1299.21 5905.51,1299.21 5905.51,1299.21 5964.57,1299.21 5964.57,1299.21 6437.01,1299.21 6437.01,1299.21 5846.45,1358.27 5846.45,1358.27 5905.51,1358.27 5905.51,1358.27 5964.57,1358.27 5964.57,1358.27 6023.62,1358.27 6023.62,1358.27 6200.79,1358.27 6200.79,1358.27 4665.35,1417.32 4665.35,1417.32 4842.52,1417.32 4842.52,1417.32 4901.57,1417.32 4901.57,1417.32 4960.63,1417.32 4960.63,1417.32 5019.68,1417.32 5019.68,1417.32 5078.74,1417.32 5078.74,1417.32 5137.79,1417.32 5137.79,1417.32 5196.85,1417.32 5196.85,1417.32 5255.9,1417.32 5255.9,1417.32 5314.96,1417.32 5314.96,1417.32 5374.01,1417.32 5374.01,1417.32 5433.07,1417.32 5433.07,1417.32 5492.12,1417.32 5492.12,1417.32 5551.18,1417.32 5551.18,1417.32 5610.23,1417.32 5610.23,1417.32 5669.29,1417.32 5669.29,1417.32 5728.34,1417.32 5728.34,1417.32 5787.4,1417.32 5787.4,1417.32 5846.45,1417.32 5846.45,1417.32 5905.51,1417.32 5905.51,1417.32 5964.57,1417.32 5964.57,1417.32 6023.62,1417.32 6023.62,1417.32 6082.68,1417.32 6082.68,1417.32 4842.52,1476.38 4842.52,1476.38 4901.57,1476.38 4901.57,1476.38 4960.63,1476.38 4960.63,1476.38 5019.68,1476.38 5019.68,1476.38 5078.74,1476.38 5078.74,1476.38 5137.79,1476.38 5137.79,1476.38 5196.85,1476.38 5196.85,1476.38 5255.9,1476.38 5255.9,1476.38 5314.96,1476.38 5314.96,1476.38 5374.01,1476.38 5374.01,1476.38 4842.52,1535.43 4842.52,1535.43 4901.57,1535.43 4901.57,1535.43 4960.63,1535.43 4960.63,1535.43 5019.68,1535.43 5019.68,1535.43 5078.74,1535.43 5078.74,1535.43 5137.79,1535.43 5137.79,1535.43 5196.85,1535.43 5196.85,1535.43 5255.9,1535.43 5255.9,1535.43 5314.96,1535.43 5314.96,1535.43 5846.45,1535.43 5846.45,1535.43 5905.51,1535.43 5905.51,1535.43 5964.57,1535.43 5964.57,1535.43 6023.62,1535.43 6023.62,1535.43 6082.68,1535.43 6082.68,1535.43 6141.73,1535.43 4842.52,1594.49 4842.52,1594.49 4901.57,1594.49 4901.57,1594.49 4960.63,1594.49 4960.63,1594.49 5019.68,1594.49 5019.68,1594.49 5078.74,1594.49 5078.74,1594.49 5137.79,1594.49 5137.79,1594.49 5196.85,1594.49 5196.85,1594.49 5255.9,1594.49 5255.9,1594.49 5314.96,1594.49 5314.96,1594.49 5846.45,1594.49 5846.45,1594.49 5905.51,1594.49 5905.51,1594.49 5964.57,1594.49 5964.57,1594.49 6023.62,1594.49 6023.62,1594.49 6082.68,1594.49 6082.68,1594.49 6141.73,1594.49 6262.03,1594.49 4842.52,1653.54 4842.52,1653.54 4901.57,1653.54 4901.57,1653.54 4960.63,1653.54 4960.63,1653.54 5019.68,1653.54 5019.68,1653.54 5078.74,1653.54 5078.74,1653.54 5137.79,1653.54 5137.79,1653.54 5196.85,1653.54 5196.85,1653.54 5255.9,1653.54 5255.9,1653.54 5314.96,1653.54 5314.96,1653.54 5846.45,1653.54 5846.45,1653.54 5905.51,1653.54 5905.51,1653.54 5964.57,1653.54 5964.57,1653.54 6023.62,1653.54 6023.62,1653.54 6082.68,1653.54 6082.68,1653.54 6141.73,1653.54 6262.03,1653.54 6318.9,1653.54 6318.9,1653.54 6437.01,1653.54 6437.01,1653.54 4665.35,1712.6 4665.35,1712.6 4842.52,1712.6 4842.52,1712.6 4901.57,1712.6 4901.57,1712.6 4960.63,1712.6 4960.63,1712.6 5019.68,1712.6 5019.68,1712.6 5078.74,1712.6 5078.74,1712.6 5137.79,1712.6 5137.79,1712.6 5196.85,1712.6 5196.85,1712.6 5255.9,1712.6 5255.9,1712.6 5314.96,1712.6 5314.96,1712.6 5846.45,1712.6 5846.45,1712.6 5905.51,1712.6 5905.51,1712.6 5964.57,1712.6 5964.57,1712.6 6023.62,1712.6 6023.62,1712.6 6082.68,1712.6 6082.68,1712.6 6141.73,1712.6 6141.73,1712.6 4783.46,1771.65 4783.46,1771.65 4842.52,1771.65 4842.52,1771.65 4901.57,1771.65 4901.57,1771.65 4960.63,1771.65 4960.63,1771.65 5019.68,1771.65 5019.68,1771.65 5078.74,1771.65 5078.74,1771.65 5137.79,1771.65 5137.79,1771.65 5196.85,1771.65 5196.85,1771.65 5255.9,1771.65 5255.9,1771.65 5314.96,1771.65 5314.96,1771.65 5846.45,1771.65 5846.45,1771.65 5905.51,1771.65 5905.51,1771.65 5964.57,1771.65 5964.57,1771.65 6023.62,1771.65 6023.62,1771.65 6082.68,1771.65 6082.68,1771.65 6141.73,1771.65 6141.73,1771.65 4665.35,1830.71 4665.35,1830.71 4724.41,1830.71 4724.41,1830.71 4783.46,1830.71 4783.46,1830.71 4842.52,1830.71 4842.52,1830.71 4901.57,1830.71 4901.57,1830.71 4960.63,1830.71 4960.63,1830.71 5019.68,1830.71 5019.68,1830.71 5078.74,1830.71 5078.74,1830.71 5137.79,1830.71 5137.79,1830.71 5196.85,1830.71 5196.85,1830.71 5255.9,1830.71 5255.9,1830.71 5314.96,1830.71 5314.96,1830.71 5846.45,1830.71 5846.45,1830.71 5905.51,1830.71 5905.51,1830.71 5964.57,1830.71 5964.57,1830.71 6023.62,1830.71 6023.62,1830.71 6082.68,1830.71 6082.68,1830.71 5846.45,1889.76 5846.45,1889.76 5905.51,1889.76 5905.51,1889.76 5964.57,1889.76 5964.57,1889.76 6023.62,1889.76 6023.62,1889.76 6082.68,1889.76 6082.68,1889.76 6437.01,2185.04 6437.01,2185.04 6437.01,2303.15 6437.01,2303.15 6437.01,2362.2 6437.01,2362.2 6437.01,2421.26 6437.01,2421.26 6437.01,2480.31 6437.01,2480.31 6437.01,2539.37 6437.01,2539.37 6377.95,2657.48 6377.95,2657.48 6377.95,2716.53 6377.95,2716.53 6377.95,2775.59 6377.95,2775.59 6259.84,2834.64 6259.84,2834.64 6318.9,2834.64 6318.9,2834.64 5019.68,2893.7 5019.68,2893.7 5078.74,2893.7 5078.74,2893.7 5137.79,2893.7 5137.79,2893.7 5196.85,2893.7 5196.85,2893.7 5255.9,2893.7 5255.9,2893.7 6200.79,2893.7 6200.79,2893.7 6259.84,2893.7 6259.84,2893.7 4960.63,2952.76 4960.63,2952.76 5019.68,2952.76 5019.68,2952.76 5078.74,2952.76 5078.74,2952.76 5137.79,2952.76 5137.79,2952.76 5196.85,2952.76 5196.85,2952.76 5255.9,2952.76 5255.9,2952.76 5314.96,2952.76 5314.96,2952.76 6141.73,2952.76 6141.73,2952.76 6200.79,2952.76 6200.79,2952.76 6259.84,2952.76 6259.84,2952.76 4960.63,3011.81 4960.63,3011.81 5019.68,3011.81 5019.68,3011.81 5078.74,3011.81 5078.74,3011.81 5137.79,3011.81 5137.79,3011.81 5196.85,3011.81 5196.85,3011.81 5255.9,3011.81 5255.9,3011.81 5314.96,3011.81 5314.96,3011.81 5374.01,3011.81 5374.01,3011.81 6082.68,3011.81 6082.68,3011.81 6141.73,3011.81 6141.73,3011.81 6200.79,3011.81 6200.79,3011.81 6259.84,3011.81 6259.84,3011.81
I2C_SCL: J2.3 J3.5 U2.5 | length 3348.4
  Top Layer w25: J3.5 4936.38,640 5740,640 6000,900 6000,1160 6140,1300 6310,1300 6340,1270 6340,1194.63 6428.8,1105.83 U2.5
  Bottom Layer w25: J3.5 4616.71,1157.65 4616.71,1568.68 J2.3
I2C_SDA: J2.4 J3.3 U2.4 | length 3046.3
  Top Layer w25: J3.3 4866.38,610 5752.43,610 6243.07,1100.65 6243.07,1105.14 6243.76,1105.83 U2.4
  Bottom Layer w25: J3.3 4780,1220.94 4780,1699.21 4714.57,1764.65 J2.4
NetBRD1_4: BRD1.4 U1.5 | length 2205.2
  Top Layer w10: v2(6270,1800) 6270.24,1799.76 6316.61,1799.76 U1.5
  Bottom Layer w25: BRD1.4 5430,2990 6030,2990 6190,2830 6190,1880 v2(6270,1800)
NetBRD1_6: BRD1.6 J3.40 | length 738.8
  Top Layer w25: J3.40 4424.61,2765.55 4449.84,2765.55 4604.29,2920 4920,2920 BRD1.6
NetD3_3: D3.3 J3.11 | length 1430.9
  Top Layer w25: J3.11 5748.58,1358.66 D3.3
NetJ1_A4: J1.A4 J1.A9 J1.B4 J1.B9 R1.1 | length 624.7
  Top Layer w25: J1.A9 J1.B4 6318.61,2330.04 6327.99,2330.04 6380,2382.04 6380,2600 6427.78,2647.78 6427.78,2683.13 R1.1 ; J1.A4 J1.B9 6318.61,2497.36 6327.98,2497.36 6375.31,2544.69
NetJ1_A5: J1.A5 R3.2 | length 587.2
  Top Layer w25: J1.A5 6265.25,2463.67 6255.87,2463.67 6235.06,2442.87 6235.06,2224.94 6271.78,2188.22 6311.78,2188.22 6336.42,2163.58 R3.2
NetJ1_B5: J1.B5 R2.2 | length 445.6
  Top Layer w25: v2(6380,2295.63) 6380,1995.04 6407.17,1967.87 R2.2
  Bottom Layer w25: J1.B5 6318.61,2363.27 6327.99,2363.27 6380,2311.27 v2(6380,2295.63)
NetJ3_22: J3.22 R8.1 | length 2367.8
  Top Layer w25: J3.22 4417.88,1858.66 4465.89,1906.67 5363.33,1906.67 5400,1870 5400,1540 5470,1470 v2(6120,1470) ; R8.1 6340,1516.42 v2(6340,1470)
  Bottom Layer w25: v2(6120,1470) v2(6340,1470)
NetJ4_1: J4.1 U2.1 | length 246
  Top Layer w25: J4.1 6185.83,1255.83 U2.1
NetJ4_2: J4.2 U2.2 | length 125.2
  Top Layer w25: J4.2 6235.14,1205.14 6267.28,1205.14 U2.2
NetQ2_1: Q2.1 R8.2 R9.2 | length 209.5
  Top Layer w25: R8.2 6263.58,1527.87 6325.22,1589.51 6329.35,1589.51 Q2.1 6335.85,1589.51 6341.95,1589.51 6403.58,1527.87 R9.2
NetQ2_3: Q2.3 R5.1 U1.6 | length 308.4
  Top Layer w10: U1.6 6345.41,1779.84 ; Q2.3 6370,1755.25 6345.41,1779.84 ; R5.1 6476.42,1872.13 6434.29,1830 6395.57,1830 6345.41,1779.84
NetR10_1: R10.1 R12.2 | length 80
  Top Layer w25: R12.2 R10.1
NetR12_1: R12.1 R14.2 U2.7 | length 265.8
  Top Layer w25: R14.2 6380,1360 ; R12.1 6380,1360 ; U2.7 6428.8,1205.83 6380,1254.63 6380,1360
SW1_DOWN: J3.12 SW1.C-D | length 827.9
  Top Layer w25: J3.12 4469.7,1306.67 4783.33,1306.67 4967.95,1122.05 SW1.C-D
SW1_ENTER: D3.1 R4.1 SW1.E-BTN U1.7 | length 1129.1
  Top Layer w10: 6230,1760 6230.16,1760.16 U1.7
  Top Layer w25: SW1.E-BTN 5738.54,1122.4 5852.24,1122.4 D3.1 6190,1460.16 6190,1693.8 6230,1733.8 6230,1760 6230,1838.54 6263.58,1872.13 R4.1
SW1_LEFT: J3.7 SW1.B-L | length 1370.9
  Top Layer w25: J3.7 4838.49,1158.66 5117.15,880 5220,880 5304.57,964.57 SW1.B-L
SW1_RIGHT: J3.10 SW1.D-R | length 851.7
  Top Layer w25: J3.10 4469.7,1206.67 4833.33,1206.67 5075.43,964.57 SW1.D-R
SW1_UP: J3.8 SW1.A-U | length 876.7
  Top Layer w25: J3.8 4469.7,1106.67 4848.05,1106.67 5120.77,833.96 5120.77,831.99 5145.67,807.09 SW1.A-U
VBAT: BRD1.3 R4.2 R5.2 R10.2 U1.8 | length 2870
  Top Layer w10: v2(6160,1920) 6161.46,1918.54 6305.75,1918.54 6320.75,1903.54 6336.42,1887.87 R4.2 ; v2@6278.07,1740.24 6316.61,1740.24 U1.8
  Top Layer w25: v2(6272.22,1733.59) 6272.22,1732.22 6220,1680 6220,1470 6260,1430 6395.41,1430 6403.58,1438.17 R10.2 ; R4.2 R5.2
  Bottom Layer w25: BRD1.3 5500,2960 6017.57,2960 6160,2817.57 v2(6160,1920) 6160,1850 6270,1740 6270,1735.8 v2(6272.22,1733.59)
VUSB: BRD1.1 D1.1 R1.2 | length 1603.7
  Top Layer w25: BRD1.1 5540,2860 5600,2920 6100,2920 6253.6,2766.4 6258.48,2766.4 6285.35,2739.53 6285.35,2680.47 6205.06,2600.18 6205.06,2160.45 6243.54,2121.97 D1.1@6243.54,2090
pads on no net: BRD1.2 D3.2 Designator34.15 Designator35.15 Designator37.15 J1.A6 J1.A7 J1.A8 J1.B6 J1.B7 J1.B8 J3.13 J3.15 J3.16 J3.18 J3.19 J3.21 J3.23 J3.24 J3.26 J3.27 J3.28 J3.29 J3.31 J3.32 J3.33 J3.35 J3.36 J3.37 J3.38 SW1. U1.3

## Polygon pours and split planes (outlines as drawn)
GND on Bottom Layer "GND_L02_P009" (solid, remove dead copper, pour order 9): 6545.28,523.9 4586.61,521.33 4586.61,1929.13 4911.42,1929.13 4911.42,3080.71 6545.28,3080.71
+5V on Bottom Layer "+5V_L02_P006" (solid, remove dead copper, pour order 6): 4340.55,807.09 4340.55,3080.71 4891.73,3080.71 4891.73,1948.82 4566.93,1948.82 4566.93,807.09
GND on Top Layer "GND_L01_P002" (solid, remove dead copper, pour order 2): 4340.55,521.65 4340.55,3080.71 6545.28,3080.71 6545.28,521.65

## Keep-outs
Top Layer:
  lines w10: 6406.66,3061.84 cw(c6406.66,2942.91) 6525.59,2942.91 6525.59,659.45 cw(c6406.66,659.45) 6406.66,540.52 4478.35,540.52 cw(c4478.35,659.45) 4359.42,659.45 4359.42,2942.1 cw(c4478.35,2942.1) 4478.35,3061.02 6407.48,3061.02
Bottom Layer:
  lines w10: 6406.66,3061.84 cw(c6406.66,2942.91) 6525.59,2942.91 6525.59,659.45 cw(c6406.66,659.45) 6406.66,540.52 4478.35,540.52 cw(c4478.35,659.45) 4359.42,659.45 4359.42,2942.1 cw(c4478.35,2942.1) 4478.35,3061.02 6407.48,3061.02

## Silkscreen, mask and mechanical layers (free items; w line width, h text height)
Top Overlay:
  text "berry_case V1.3 Enrico Cirignaco February 2021" at 5610,2880 h28
Mechanical 1:
  lines w10: 4340.55,649.61 4340.55,2942.91 cw(c4478.35,2942.91) 4478.35,3080.71 6407.48,3080.71 cw(c6407.48,2942.91) 6545.28,2942.91 ; 4340.55,659.21 ccw(c4478.35,659.21) 4478.35,521.42 ; 4468.5,521.65 6417.32,521.65 ; 6407.48,521.65 ccw(c6407.48,659.45) 6545.28,659.45 6545.27,2942.91

## Text inside footprints (layer, text, board x,y; h text height)
J1: Bottom Component Center ">PCB Edge" at 6505.51,2189.18 h62 r90
J4: Top Overlay "-" at 6148.9,1188.91 h60; Top Overlay "+" at 6050.47,1189.22 h60